# Altium PCB HMI_Board.PcbDoc (part 1 of 3) (continued)
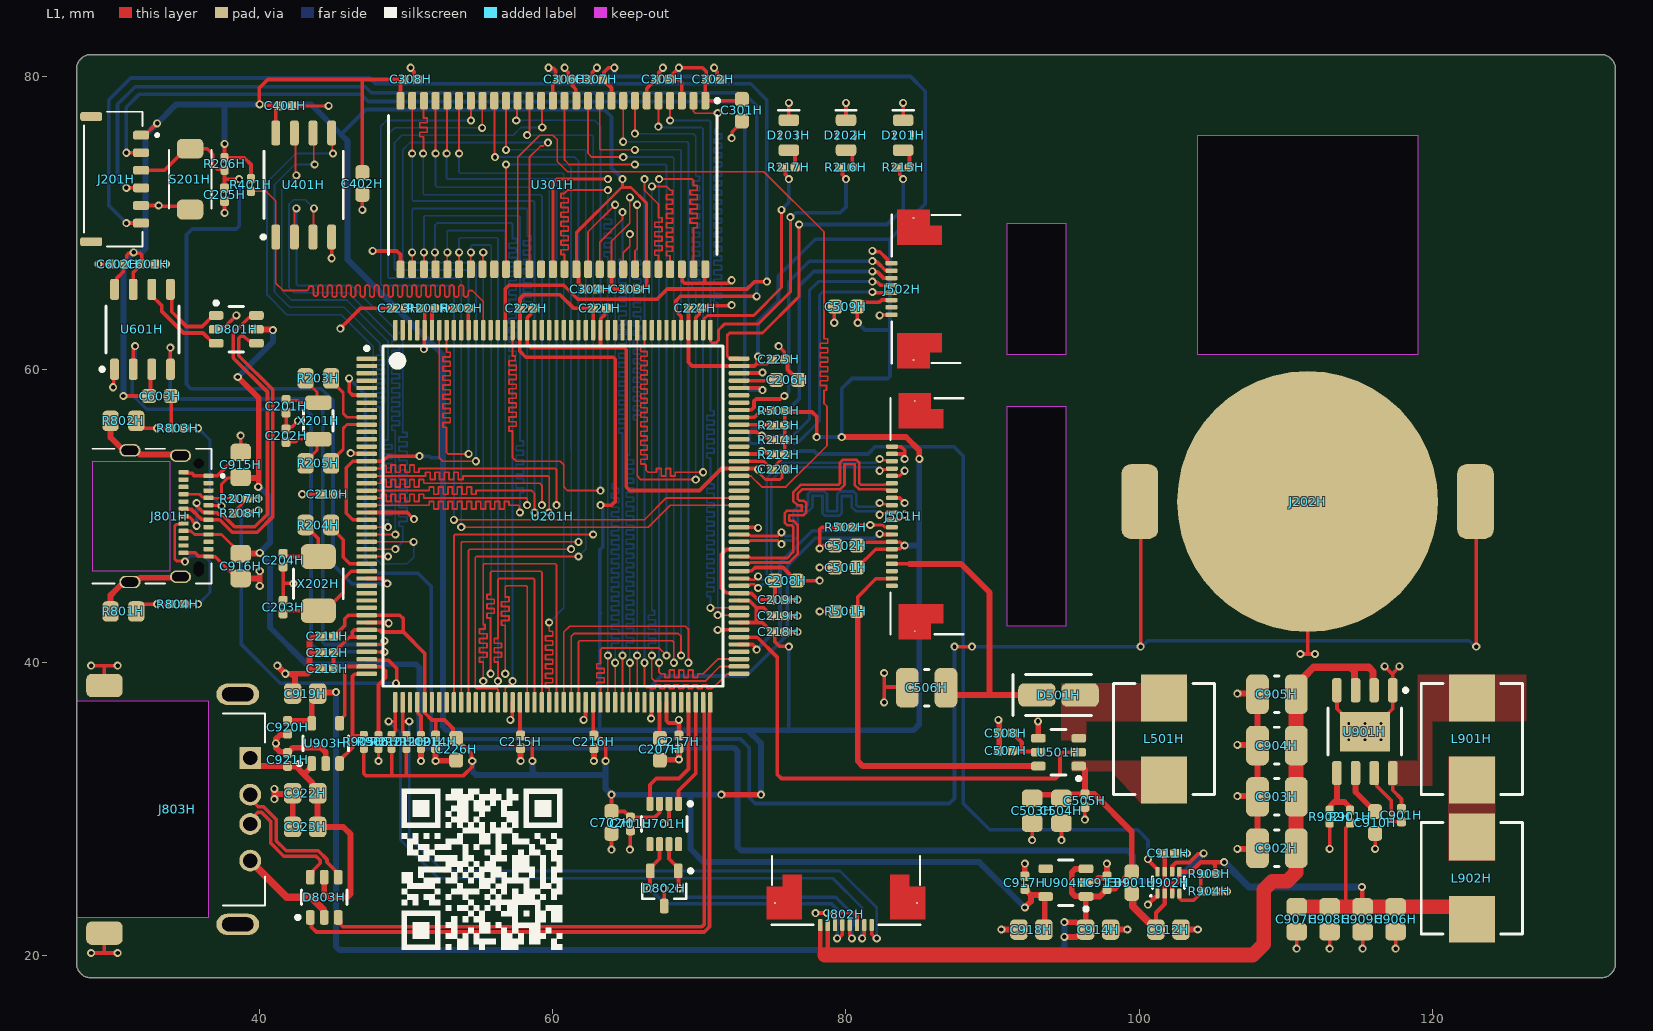
[diagram p0: L1 view]
## Part data (continued)
J801H: "USB Connector, 24 Contact(s), Female, Right Angle, Surface Mount Terminal, Locking, Receptacle", Manufacturer=Amphenol, Supplier Part Number=C3197788, ComponentLink1Description=https://datasheet.octopart.com:443/12401826E412A-Amphenol-Communications-Solutions-datasheet-182242332.pdf?src-supplier=IHS, ComponentLink1URL=https://datasheet.octopart.com:443/12401826E412A-Amphenol-Communications-Solutions-datasheet-182242332.pdf?src-supplier=IHS, ComponentLink2Description=https://datasheet.octopart.com:443/12401826E412A-Amphenol-datasheet-112029729.pdf?src-supplier=Master+Electronics, ComponentLink2URL=https://datasheet.octopart.com:443/12401826E412A-Amphenol-datasheet-112029729.pdf?src-supplier=Master+Electronics, Manufacturer Part Number=12401826E412A, Supplier=LCSC
J803H: "USB2.0 A RECEPT,RIGHT ANGLE, SIN", Manufacturer="Amphenol ICC", Supplier Part Number=664-GSB12621A1EUTR-ND, Manufacturer Part Number=GSB12621A1EU, Supplier=DigiKey
L501H L901H L902H: "10uH 3.5A 6A 75mΩ AEC-Q200 ±20% SMD,7.3x6.6mm Power Inductors ROHS", Manufacturer=BOURNS, Manufacturer Part Number=SRP7028A-100M, Supplier Part Number=C2687402, Supplier=LCSC
R201H R202H R206H R209H R212H R401H R502H R503H R901H R904H R905H R906H: "-55℃~+155℃ 10kΩ 50V 62.5mW Thick Film Resistor ±1% ±100ppm/℃ 0402 Chip Resistor - Surface Mount ROHS", Manufacturer="UNI-ROYAL(Uniroyal Elec)", Manufacturer Part Number=0402WGF1002TCE, Supplier Part Number=C25744, Supplier=LCSC
R203H R204H R205H R801H R802H: "-55℃~+155℃ 0Ω 125mW 150V Thick Film Resistor ±1% ±800ppm/℃ 0805 Chip Resistor - Surface Mount ROHS", Manufacturer="UNI-ROYAL(Uniroyal Elec)", Manufacturer Part Number=0805W8F0000T5E, Supplier Part Number=C17477, Supplier=LCSC
R207H: "-55℃~+155℃ 12kΩ 50V 62.5mW Thick Film Resistor ±1% ±100ppm/℃ 0402 Chip Resistor - Surface Mount ROHS", Manufacturer="UNI-ROYAL(Uniroyal Elec)", Manufacturer Part Number=0402WGF1202TCE, Supplier Part Number=C25752, Supplier=LCSC
R208H: "-55℃~+155℃ 18kΩ 50V 62.5mW Thick Film Resistor ±1% ±100ppm/℃ 0402 Chip Resistor - Surface Mount ROHS", Manufacturer="UNI-ROYAL(Uniroyal Elec)", Manufacturer Part Number=0402WGF1802TCE, Supplier Part Number=C25762, Supplier=LCSC
R210H R211H R213H R214H R803H R804H: "-55℃~+155℃ 5.1kΩ 50V 62.5mW Thick Film Resistor ±1% ±100ppm/℃ 0402 Chip Resistor - Surface Mount ROHS", Manufacturer="UNI-ROYAL(Uniroyal Elec)", Manufacturer Part Number=0402WGF5101TCE, Supplier Part Number=C25905, Supplier=LCSC
R215H R216H R217H: "-55℃~+155℃ 1kΩ 50V 62.5mW Thick Film Resistor ±1% ±100ppm/℃ 0402 Chip Resistor - Surface Mount ROHS", Manufacturer="UNI-ROYAL(Uniroyal Elec)", Manufacturer Part Number=0402WGF1001TCE, Supplier Part Number=C11702, Supplier=LCSC
R501H: "-55℃~+155℃ 1.1Ω 100mW 75V Thick Film Resistor ±1% ±200ppm/℃ 0603 Chip Resistor - Surface Mount ROHS", Manufacturer="UNI-ROYAL(Uniroyal Elec)", Manufacturer Part Number=0603WAF110KT5E, Supplier Part Number=C83906, Supplier=LCSC
R902H: "-55℃~+155℃ 2.49kΩ 50V 62.5mW Thick Film Resistor ±1% ±100ppm/℃ 0402 Chip Resistor - Surface Mount ROHS", Manufacturer="UNI-ROYAL(Uniroyal Elec)", Manufacturer Part Number=0402WGF2491TCE, Supplier Part Number=C25884, Supplier=LCSC
R903H: "-55℃~+155℃ 30kΩ 50V 62.5mW Thick Film Resistor ±1% ±100ppm/℃ 0402 Chip Resistor - Surface Mount ROHS", Manufacturer="UNI-ROYAL(Uniroyal Elec)", Manufacturer Part Number=0402WGF3002TCE, Supplier Part Number=C25776, Supplier=LCSC
S201H: "Without 50mA 4mm 100MΩ 100000 Times 12V 160gf 3mm 2mm Round Button Standing paste SPST SMD Tactile Switches ROHS", Manufacturer=Xunpu, Supplier Part Number=C720477, Manufacturer Part Number=TS-1088-AR02016, Supplier=LCSC
U201H: "MCU 32-bit ARM Cortex M4 RISC 2MB Flash 2.5V/3.3V 176-Pin LQFP Frame", Manufacturer=STMicroelectronics, Supplier Part Number=C117839, ComponentLink1Description=https://datasheet.octopart.com:443/STM32F469IIT6-STMicroelectronics-datasheet-62336746.pdf?src-supplier=element14+APAC, ComponentLink1URL=https://datasheet.octopart.com:443/STM32F469IIT6-STMicroelectronics-datasheet-62336746.pdf?src-supplier=element14+APAC, ComponentLink2Description=https://datasheet.octopart.com:443/STM32F469IIT6-STMicroelectronics-datasheet-49152909.pdf?src-supplier=Newark, ComponentLink2URL=https://datasheet.octopart.com:443/STM32F469IIT6-STMicroelectronics-datasheet-49152909.pdf?src-supplier=Newark, ComponentLink3Description=https://datasheet.octopart.com:443/STM32F469IIT6-STMicroelectronics-datasheet-60574464.pdf?src-supplier=Farnell, ComponentLink3URL=https://datasheet.octopart.com:443/STM32F469IIT6-STMicroelectronics-datasheet-60574464.pdf?src-supplier=Farnell, ComponentLink4Description=https://datasheet.octopart.com:443/STM32F469IIT6-STMicroelectronics-datasheet-159009227.pdf?src-supplier=SHENGYU+ELECTRONICS, ComponentLink4URL=https://datasheet.octopart.com:443/STM32F469IIT6-STMicroelectronics-datasheet-159009227.pdf?src-supplier=SHENGYU+ELECTRONICS, Manufacturer Part Number=STM32F469IIT6, Supplier=LCSC
U301H: "DRAM Chip SDRAM 128M-Bit 8Mx16 3.3V 54-Pin TSOP-II", Manufacturer=ISSI, Supplier Part Number=C69411, ComponentLink1Description=https://datasheet.octopart.com:443/IS42S16800F-7TLI-ISSI-datasheet-177144629.pdf?src-supplier=IHS, ComponentLink1URL=https://datasheet.octopart.com:443/IS42S16800F-7TLI-ISSI-datasheet-177144629.pdf?src-supplier=IHS, ComponentLink2Description=https://datasheet.octopart.com:443/IS42S16800F-7TLI-ISSI-datasheet-115062799.pdf?src-supplier=HQonline, ComponentLink2URL=https://datasheet.octopart.com:443/IS42S16800F-7TLI-ISSI-datasheet-115062799.pdf?src-supplier=HQonline, ComponentLink3Description=https://datasheet.octopart.com:443/IS42S16800F-7TLI-ISSI-datasheet-163654484.pdf?src-supplier=Augswan, ComponentLink3URL=https://datasheet.octopart.com:443/IS42S16800F-7TLI-ISSI-datasheet-163654484.pdf?src-supplier=Augswan, ComponentLink4Description=https://datasheet.octopart.com:443/IS42S16800F-7TLI-ISSI-datasheet-11878964.pdf?src-supplier=Arrow+Electronics, ComponentLink4URL=https://datasheet.octopart.com:443/IS42S16800F-7TLI-ISSI-datasheet-11878964.pdf?src-supplier=Arrow+Electronics, Manufacturer Part Number=IS42S16800F-7TLI, Supplier=LCSC
U401H: "NOR Flash Serial (SPI, Dual SPI, Quad SPI) 2.5V/3V/3.3V 128M-bit 16M x 8 8ns 8-Pin SOIC T/R", Manufacturer=ISSI, Supplier Part Number=C521290, ComponentLink1Description=https://datasheet.octopart.com:443/IS25LP128-JBLE-TR-ISSI-datasheet-180100958.pdf?src-supplier=IHS, ComponentLink1URL=https://datasheet.octopart.com:443/IS25LP128-JBLE-TR-ISSI-datasheet-180100958.pdf?src-supplier=IHS, ComponentLink2Description=https://datasheet.octopart.com:443/IS25LP128-JBLE-TR-ISSI-datasheet-138103946.pdf?src-supplier=SHENGYU+ELECTRONICS, ComponentLink2URL=https://datasheet.octopart.com:443/IS25LP128-JBLE-TR-ISSI-datasheet-138103946.pdf?src-supplier=SHENGYU+ELECTRONICS, Manufacturer Part Number=IS25LP128-JBLE-TR, Supplier=LCSC
U501H: "High brightness white LED driver in 2mm x 2mm QFN Package 6-SOT-23 -40 to 85", Manufacturer="Texas Instruments", Supplier Part Number=C58756, ComponentLink1Description=https://sigma.octopart.com:443/182282880/technical_drawing/Texas-Instruments-TPS61165DBVR.pdf?src-supplier=Texas+Instruments, ComponentLink1URL=https://sigma.octopart.com:443/182282880/technical_drawing/Texas-Instruments-TPS61165DBVR.pdf?src-supplier=Texas+Instruments, ComponentLink2Description=https://octopart.com:443/opatz8j6/c1?t=nZeBVG_tagQVTQ7mH9eZZHeC0rDHwyaHKKSCvJlus6yh4w9BlKbO9IoyfQfeWqyjliqoQHyW2yGXoo95ovqlmq8kd5JhrdGsq82YO7buThP_o15Nce2TNG5oXKLW-nVpH_-XeEWyNuigOz1gFahmc_VM1w7rjl1WSvgkxj9hAECfEFQYzC4pYHq4sIzxTBobuB3DrMlscfuTDSz6w8A9d2WE1BgVhZEcqdg3gxFJ-Z8IbNB3GOoLqbgLeBd7lkDfuvqqHLOWEUynituVoUNjcvozGSGw89fiZimS5DNerO7cPC7jIb1D2zbQLCq4rH_-a8Aro95-DwK9lGTU4b1BabtghUPJhpq2AuxQc8qAQWHR2BDxrIFi_slgdZiuh9wb6m9q9IRc&src-supplier=Texas+Instruments, ComponentLink2URL=https://octopart.com:443/opatz8j6/c1?t=nZeBVG_tagQVTQ7mH9eZZHeC0rDHwyaHKKSCvJlus6yh4w9BlKbO9IoyfQfeWqyjliqoQHyW2yGXoo95ovqlmq8kd5JhrdGsq82YO7buThP_o15Nce2TNG5oXKLW-nVpH_-XeEWyNuigOz1gFahmc_VM1w7rjl1WSvgkxj9hAECfEFQYzC4pYHq4sIzxTBobuB3DrMlscfuTDSz6w8A9d2WE1BgVhZEcqdg3gxFJ-Z8IbNB3GOoLqbgLeBd7lkDfuvqqHLOWEUynituVoUNjcvozGSGw89fiZimS5DNerO7cPC7jIb1D2zbQLCq4rH_-a8Aro95-DwK9lGTU4b1BabtghUPJhpq2AuxQc8qAQWHR2BDxrIFi_slgdZiuh9wb6m9q9IRc&src-supplier=Texas+Instruments, ComponentLink3Description=https://datasheet.octopart.com:443/TPS61165DBVR-Texas-Instruments-datasheet-37741753.pdf?src-supplier=Texas+Instruments, ComponentLink3URL=https://datasheet.octopart.com:443/TPS61165DBVR-Texas-Instruments-datasheet-37741753.pdf?src-supplier=Texas+Instruments, ComponentLink4Description=https://sigma.octopart.com:443/179253514/technical_drawing/Texas-Instruments-TPS61165DBVR.pdf?src-supplier=Texas+Instruments, ComponentLink4URL=https://sigma.octopart.com:443/179253514/technical_drawing/Texas-Instruments-TPS61165DBVR.pdf?src-supplier=Texas+Instruments, ComponentLink5Description=https://sigma.octopart.com:443/177332312/technical_drawing/Texas-Instruments-TPS61165DBVR.pdf?src-supplier=Texas+Instruments, ComponentLink5URL=https://sigma.octopart.com:443/177332312/technical_drawing/Texas-Instruments-TPS61165DBVR.pdf?src-supplier=Texas+Instruments, ComponentLink6Description=https://sigma.octopart.com:443/175570407/technical_drawing/Texas-Instruments-TPS61165DBVR.pdf?src-supplier=Texas+Instruments, ComponentLink6URL=https://sigma.octopart.com:443/175570407/technical_drawing/Texas-Instruments-TPS61165DBVR.pdf?src-supplier=Texas+Instruments, ComponentLink7Description=https://sigma.octopart.com:443/154719501/technical_drawing/Texas-Instruments-TPS61165DBVR.pdf?src-supplier=Texas+Instruments, ComponentLink7URL=https://sigma.octopart.com:443/154719501/technical_drawing/Texas-Instruments-TPS61165DBVR.pdf?src-supplier=Texas+Instruments, ComponentLink8Description=https://datasheet.octopart.com:443/TPS61165DBVR-Texas-Instruments-datasheet-36993187.pdf?src-supplier=Texas+Instruments, ComponentLink8URL=https://datasheet.octopart.com:443/TPS61165DBVR-Texas-Instruments-datasheet-36993187.pdf?src-supplier=Texas+Instruments, ComponentLink9Description=https://sigma.octopart.com:443/49249327/technical_drawing/Texas-Instruments-TPS61165DBVR.pdf?src-supplier=Texas+Instruments, ComponentLink9URL=https://sigma.octopart.com:443/49249327/technical_drawing/Texas-Instruments-TPS61165DBVR.pdf?src-supplier=Texas+Instruments, ComponentLink10Description=https://datasheet.octopart.com:443/TPS61165DBVR-Texas-Instruments-datasheet-10670041.pdf?src-supplier=Texas+Instruments, ComponentLink10URL=https://datasheet.octopart.com:443/TPS61165DBVR-Texas-Instruments-datasheet-10670041.pdf?src-supplier=Texas+Instruments, ComponentLink11Description=https://datasheet.octopart.com:443/TPS61165DBVR-Texas-Instruments-datasheet-10620793.pdf?src-supplier=Texas+Instruments, ComponentLink11URL=https://datasheet.octopart.com:443/TPS61165DBVR-Texas-Instruments-datasheet-10620793.pdf?src-supplier=Texas+Instruments, ComponentLink12Description=https://datasheet.octopart.com:443/TPS61165DBVR-Texas-Instruments-datasheet-16079706.pdf?src-supplier=Upverter, ComponentLink12URL=https://datasheet.octopart.com:443/TPS61165DBVR-Texas-Instruments-datasheet-16079706.pdf?src-supplier=Upverter, ComponentLink13Description=https://datasheet.octopart.com:443/TPS61165DBVR-Texas-Instruments-datasheet-66617826.pdf?src-supplier=Newark, ComponentLink13URL=https://datasheet.octopart.com:443/TPS61165DBVR-Texas-Instruments-datasheet-66617826.pdf?src-supplier=Newark, ComponentLink14Description=https://datasheet.octopart.com:443/TPS61165DBVR-Texas-Instruments-datasheet-21262904.pdf?src-supplier=Farnell, ComponentLink14URL=https://datasheet.octopart.com:443/TPS61165DBVR-Texas-Instruments-datasheet-21262904.pdf?src-supplier=Farnell, ComponentLink15Description=https://datasheet.octopart.com:443/TPS61165DBVR-Texas-Instruments-datasheet-48578343.pdf?src-supplier=element14+APAC, ComponentLink15URL=https://datasheet.octopart.com:443/TPS61165DBVR-Texas-Instruments-datasheet-48578343.pdf?src-supplier=element14+APAC, ComponentLink16Description=https://datasheet.octopart.com:443/TPS61165DBVR-Texas-Instruments-datasheet-165804812.pdf?src-supplier=LCSC, ComponentLink16URL=https://datasheet.octopart.com:443/TPS61165DBVR-Texas-Instruments-datasheet-165804812.pdf?src-supplier=LCSC, ComponentLink17Description=https://datasheet.octopart.com:443/TPS61165DBVR-Texas-Instruments-datasheet-159118187.pdf?src-supplier=LCSC, ComponentLink17URL=https://datasheet.octopart.com:443/TPS61165DBVR-Texas-Instruments-datasheet-159118187.pdf?src-supplier=LCSC, ComponentLink18Description=https://datasheet.octopart.com:443/TPS61165DBVR-Texas-Instruments-datasheet-164420408.pdf?src-supplier=SHENGYU+ELECTRONICS, ComponentLink18URL=https://datasheet.octopart.com:443/TPS61165DBVR-Texas-Instruments-datasheet-164420408.pdf?src-supplier=SHENGYU+ELECTRONICS, ComponentLink19Description=https://datasheet.octopart.com:443/TPS61165DBVR-Texas-Instruments-datasheet-137316104.pdf?src-supplier=Future+Electronics, ComponentLink19URL=https://datasheet.octopart.com:443/TPS61165DBVR-Texas-Instruments-datasheet-137316104.pdf?src-supplier=Future+Electronics, ComponentLink20Description=https://datasheet.octopart.com:443/TPS61165DBVR-Texas-Instruments-datasheet-14155713.pdf?src-supplier=iiiC, ComponentLink20URL=https://datasheet.octopart.com:443/TPS61165DBVR-Texas-Instruments-datasheet-14155713.pdf?src-supplier=iiiC, ComponentLink21Description=http://sigma.octopart.com:80/reach_statement/Texas-Instruments-company-64.pdf?src-supplier=Compliance+Statements, ComponentLink21URL=http://sigma.octopart.com:80/reach_statement/Texas-Instruments-company-64.pdf?src-supplier=Compliance+Statements, ComponentLink22Description=http://sigma.octopart.com:80/conflict_mineral_statement/Texas-Instruments-company-63.pdf?src-supplier=Compliance+Statements, ComponentLink22URL=http://sigma.octopart.com:80/conflict_mineral_statement/Texas-Instruments-company-63.pdf?src-supplier=Compliance+Statements, Manufacturer Part Number=TPS61165DBVR, Supplier=LCSC
U601H: "UART to USB 1.1 Bridge", Manufacturer="Prolific Tech", Supplier Part Number=C2905408, Manufacturer Part Number=PL2303GL, Supplier=LCSC
U701H: "e4 TCAN332 Tape & Reel (TR) CANbus interface transceiver 120mV 1.45mm -40C~125C", Manufacturer="Texas Instruments", Manufacturer Part Number=TCAN332DCNR, Supplier Part Number=C544741, ComponentLink1Description=https://octopart.com:443/opatz8j6/c1?t=dG_SbUxjQzVgJnJPP-2szSeqPAb3X7H8tWfQI62VRO9uZnrLmFg3TWU_z67q9kIDviF4FN_TCsqeSfeEDt3cWUaO61NG9QDI_Eb50Secyx7936ozK0zPGmHWFTaG3DsBBHgi4s8MSZ62e4_WQc34t8bGaKb-7TAP0eyksxQ1enmXlBpFOua48LsekYnSoJ2L-d640ZUPpAGxHdgwmtr-Rm6Has3v9oCmMUHqPAq5ix4xFEIyP5I_SVLeVktE-3aAwIYQSiOANKmcXVzf_801AnYlO65In04uFc_5rjJ_JVYSqe5kmTcE2eLvcvt7n5SpzoA4fGOFnErTL0ZS-9x5xsgIoYsvbbTZ1_6kN_AAgYZyOVAEksG_LnTkXIJbDMRPYtvLom8&src-supplier=Texas+Instruments, ComponentLink1URL=https://octopart.com:443/opatz8j6/c1?t=dG_SbUxjQzVgJnJPP-2szSeqPAb3X7H8tWfQI62VRO9uZnrLmFg3TWU_z67q9kIDviF4FN_TCsqeSfeEDt3cWUaO61NG9QDI_Eb50Secyx7936ozK0zPGmHWFTaG3DsBBHgi4s8MSZ62e4_WQc34t8bGaKb-7TAP0eyksxQ1enmXlBpFOua48LsekYnSoJ2L-d640ZUPpAGxHdgwmtr-Rm6Has3v9oCmMUHqPAq5ix4xFEIyP5I_SVLeVktE-3aAwIYQSiOANKmcXVzf_801AnYlO65In04uFc_5rjJ_JVYSqe5kmTcE2eLvcvt7n5SpzoA4fGOFnErTL0ZS-9x5xsgIoYsvbbTZ1_6kN_AAgYZyOVAEksG_LnTkXIJbDMRPYtvLom8&src-supplier=Texas+Instruments, ComponentLink2Description=https://datasheet.octopart.com:443/TCAN332DCNR-Texas-Instruments-datasheet-61500394.pdf?src-supplier=Texas+Instruments, ComponentLink2URL=https://datasheet.octopart.com:443/TCAN332DCNR-Texas-Instruments-datasheet-61500394.pdf?src-supplier=Texas+Instruments, ComponentLink3Description=https://sigma.octopart.com:443/49252122/technical_drawing/Texas-Instruments-TCAN332DCNR.pdf?src-supplier=Texas+Instruments, ComponentLink3URL=https://sigma.octopart.com:443/49252122/technical_drawing/Texas-Instruments-TCAN332DCNR.pdf?src-supplier=Texas+Instruments, ComponentLink4Description=https://datasheet.octopart.com:443/TCAN332DCNR-Texas-Instruments-datasheet-149637585.pdf?src-supplier=Upverter, ComponentLink4URL=https://datasheet.octopart.com:443/TCAN332DCNR-Texas-Instruments-datasheet-149637585.pdf?src-supplier=Upverter, ComponentLink5Description=https://datasheet.octopart.com:443/TCAN332DCNR-Texas-Instruments-datasheet-192327331.pdf?src-supplier=HQonline, ComponentLink5URL=https://datasheet.octopart.com:443/TCAN332DCNR-Texas-Instruments-datasheet-192327331.pdf?src-supplier=HQonline, ComponentLink6Description=https://datasheet.octopart.com:443/TCAN332DCNR-Texas-Instruments-datasheet-164418215.pdf?src-supplier=SHENGYU+ELECTRONICS, ComponentLink6URL=https://datasheet.octopart.com:443/TCAN332DCNR-Texas-Instruments-datasheet-164418215.pdf?src-supplier=SHENGYU+ELECTRONICS, ComponentLink7Description=http://sigma.octopart.com:80/reach_statement/Texas-Instruments-company-64.pdf?src-supplier=Compliance+Statements, ComponentLink7URL=http://sigma.octopart.com:80/reach_statement/Texas-Instruments-company-64.pdf?src-supplier=Compliance+Statements, ComponentLink8Description=http://sigma.octopart.com:80/conflict_mineral_statement/Texas-Instruments-company-63.pdf?src-supplier=Compliance+Statements, ComponentLink8URL=http://sigma.octopart.com:80/conflict_mineral_statement/Texas-Instruments-company-63.pdf?src-supplier=Compliance+Statements, Supplier=LCSC
U901H: "IC REG BUCK ADJ 2A 8SOPWR \"Buck Switching Regulator IC Positive Adjustable 1V 1 Output 2A 8-PowerSOIC (0.154\"\",...", Manufacturer="Texas Instruments", Supplier Part Number=C1858395, ComponentLink1Description=https://sigma.octopart.com:443/104526336/technical_drawing/Texas-Instruments-LMR36520FADDAR.pdf?src-supplier=Texas+Instruments, ComponentLink1URL=https://sigma.octopart.com:443/104526336/technical_drawing/Texas-Instruments-LMR36520FADDAR.pdf?src-supplier=Texas+Instruments, ComponentLink2Description=https://octopart.com:443/opatz8j6/c1?t=mHbzaQ1Tht0UV9nehfg5JiUnlsE_g6jEQZu4cgLsz7FdSPytCj4GT_8w8awNCG6PeU6TxqmtEJrkUBGGJyvku2gjVBep4h00nAZ89dcXKNnd2gG9g6d4C5g0wp9xiQcjuA7ti1nzwa8x6zdLsfl0B3HqFDAGiJbSO8y9Ls0L_BPMX5u4Slhfpg6UDt9-0_9nl2Xjgzq1NNSuayRbQs-ujVhBD533bHdfFlc8CK607Dk82q2-Km0ow_-B3-tyW-LMsF-2gB6GxyOaUT341cgLMJHM3d0VyX_1JRL2UCDs5TRoGisOmXnK4bktZIfSp2ik0ZADK5Vy-TlIZkce9k04I79soOuKbQPdC4RFs6ama8YLpD5h656EQwzMTtUILFiaUT_aq65E-A&src-supplier=Texas+Instruments, ComponentLink2URL=https://octopart.com:443/opatz8j6/c1?t=mHbzaQ1Tht0UV9nehfg5JiUnlsE_g6jEQZu4cgLsz7FdSPytCj4GT_8w8awNCG6PeU6TxqmtEJrkUBGGJyvku2gjVBep4h00nAZ89dcXKNnd2gG9g6d4C5g0wp9xiQcjuA7ti1nzwa8x6zdLsfl0B3HqFDAGiJbSO8y9Ls0L_BPMX5u4Slhfpg6UDt9-0_9nl2Xjgzq1NNSuayRbQs-ujVhBD533bHdfFlc8CK607Dk82q2-Km0ow_-B3-tyW-LMsF-2gB6GxyOaUT341cgLMJHM3d0VyX_1JRL2UCDs5TRoGisOmXnK4bktZIfSp2ik0ZADK5Vy-TlIZkce9k04I79soOuKbQPdC4RFs6ama8YLpD5h656EQwzMTtUILFiaUT_aq65E-A&src-supplier=Texas+Instruments, ComponentLink3Description=http://sigma.octopart.com:80/reach_statement/Texas-Instruments-company-64.pdf?src-supplier=Compliance+Statements, ComponentLink3URL=http://sigma.octopart.com:80/reach_statement/Texas-Instruments-company-64.pdf?src-supplier=Compliance+Statements, ComponentLink4Description=http://sigma.octopart.com:80/conflict_mineral_statement/Texas-Instruments-company-63.pdf?src-supplier=Compliance+Statements, ComponentLink4URL=http://sigma.octopart.com:80/conflict_mineral_statement/Texas-Instruments-company-63.pdf?src-supplier=Compliance+Statements, Manufacturer Part Number=LMR36520FADDAR, Supplier=LCSC
U902H: "1.6-V TO 5.5-V, 20-M, 4-A LOW IQ Power Switch/Driver 2: 1 N-Channel 4A SOT-583", Manufacturer="Texas Instruments", Supplier Part Number=C22399676, ComponentLink1Description=https://sigma.octopart.com:443/184160452/technical_drawing/Texas-Instruments-TPS2117DRLR.pdf?src-supplier=Texas+Instruments, ComponentLink1URL=https://sigma.octopart.com:443/184160452/technical_drawing/Texas-Instruments-TPS2117DRLR.pdf?src-supplier=Texas+Instruments, ComponentLink2Description=https://octopart.com:443/opatz8j6/c1?t=L84LYtfkBmmN_IjgYvQ-qdp29-_Y1qHOaIt1_kNS9fW6zCHH_mOxrWMnMXuUZ1bqiEFDwRIsiy_UYmJymrv8Px2m6PKuTwrplg6rpq_wJlsFnSfi8CP8aqb9xzzk84DEUT5Z06X-gaI3P2F3RmYXsrt5GEkx1caOnwsJv5FBB6WWt408fP1sLc0qFlmrkljEq25MyY9g_7CIAnoVZsSi_yOB6RSqpfmUjSqEw4B7hgY_otftM--RI0f-E42yI6CWCkB5E_2kPGFfxKzu01GXmLqmVT1vRVkZ_bUmRdOInDeSTeJtLAoJ2NRY4FaXen_61Ah6oVg27V3ihoFZI3QFUUuUGv9_Vto7490L0vpBTrDJknOeRs_5eMCBoUnWlBEHBK2pkr4H&src-supplier=Texas+Instruments, ComponentLink2URL=https://octopart.com:443/opatz8j6/c1?t=L84LYtfkBmmN_IjgYvQ-qdp29-_Y1qHOaIt1_kNS9fW6zCHH_mOxrWMnMXuUZ1bqiEFDwRIsiy_UYmJymrv8Px2m6PKuTwrplg6rpq_wJlsFnSfi8CP8aqb9xzzk84DEUT5Z06X-gaI3P2F3RmYXsrt5GEkx1caOnwsJv5FBB6WWt408fP1sLc0qFlmrkljEq25MyY9g_7CIAnoVZsSi_yOB6RSqpfmUjSqEw4B7hgY_otftM--RI0f-E42yI6CWCkB5E_2kPGFfxKzu01GXmLqmVT1vRVkZ_bUmRdOInDeSTeJtLAoJ2NRY4FaXen_61Ah6oVg27V3ihoFZI3QFUUuUGv9_Vto7490L0vpBTrDJknOeRs_5eMCBoUnWlBEHBK2pkr4H&src-supplier=Texas+Instruments, ComponentLink3Description=https://sigma.octopart.com:443/182665545/technical_drawing/Texas-Instruments-TPS2117DRLR.pdf?src-supplier=Texas+Instruments, ComponentLink3URL=https://sigma.octopart.com:443/182665545/technical_drawing/Texas-Instruments-TPS2117DRLR.pdf?src-supplier=Texas+Instruments, ComponentLink4Description=https://sigma.octopart.com:443/158891806/technical_drawing/Texas-Instruments-TPS2117DRLR.pdf?src-supplier=Texas+Instruments, ComponentLink4URL=https://sigma.octopart.com:443/158891806/technical_drawing/Texas-Instruments-TPS2117DRLR.pdf?src-supplier=Texas+Instruments, ComponentLink5Description=https://datasheet.octopart.com:443/TPS2117DRLR-Texas-Instruments-datasheet-189768138.pdf?src-supplier=ODG+(Origin+Data+Global), ComponentLink5URL=https://datasheet.octopart.com:443/TPS2117DRLR-Texas-Instruments-datasheet-189768138.pdf?src-supplier=ODG+(Origin+Data+Global), ComponentLink6Description=https://datasheet.octopart.com:443/TPS2117DRLR-Texas-Instruments-datasheet-184244544.pdf?src-supplier=LCSC, ComponentLink6URL=https://datasheet.octopart.com:443/TPS2117DRLR-Texas-Instruments-datasheet-184244544.pdf?src-supplier=LCSC, ComponentLink7Description=http://sigma.octopart.com:80/reach_statement/Texas-Instruments-company-64.pdf?src-supplier=Compliance+Statements, ComponentLink7URL=http://sigma.octopart.com:80/reach_statement/Texas-Instruments-company-64.pdf?src-supplier=Compliance+Statements, ComponentLink8Description=http://sigma.octopart.com:80/conflict_mineral_statement/Texas-Instruments-company-63.pdf?src-supplier=Compliance+Statements, ComponentLink8URL=http://sigma.octopart.com:80/conflict_mineral_statement/Texas-Instruments-company-63.pdf?src-supplier=Compliance+Statements, Manufacturer Part Number=TPS2117DRLR, Supplier=LCSC
U903H: "-40℃~+125℃ 1 4.5V~5.5V 500mA 97mΩ Active High Low Side Switch Short-Circuit  Protection(SCP)、Overcurrent Protection(OCP)、Overtemperature protection (OTP) SOT-23-5 Power Distribution Switches ROHS", Manufacturer="Texas Instruments", Supplier Part Number=C129581, Manufacturer Part Number=TPS2051CDBVR, Supplier=LCSC
U904H: "1-A, low-IQ high-accuracy low-dropout (LDO) voltage regulator with enable 5-SOT-23 -40 to 125", Manufacturer="Texas Instruments", Supplier Part Number=C485517, ComponentLink1Description=https://sigma.octopart.com:443/177332311/technical_drawing/Texas-Instruments-TLV75733PDBVR.pdf?src-supplier=Texas+Instruments, ComponentLink1URL=https://sigma.octopart.com:443/177332311/technical_drawing/Texas-Instruments-TLV75733PDBVR.pdf?src-supplier=Texas+Instruments, ComponentLink2Description=https://octopart.com:443/opatz8j6/c1?t=6lDysvEzJMqV3aXU7XwswX-NmoIVKIpd3xMvh1jAIanRe4xqKcgWItUPj8N2Urd19DgEQX7Si0USgCZNUOCflsoBJm1ijCIgGCUOB1WaCybT4cY9c_KHWWyCTPMmLtAeSRmCMbORwkbpXPuDyLPTDJz2-yywwnrOMDSerR3rCfsbOmzOtwiuPfr5QO4UlCRj3n_a4RYvCi2S1TtCu7mUS0uhSmcIA5DP_e85TwisM18oaq8hQoRDdOm0GDJCJDLnhdkPe_6JZyh9RLZ6A19nNgObwn704rdDc8n-wDuSG4qMO_GAqGfOTEiVWd-LL-II0Cb0Q5yJpDhKRKft5bJVAG82wJ2i-Vgi_ReSvuynMFzgY6dAU0sHSHvmH4001BANddGd7Q&src-supplier=Texas+Instruments, ComponentLink2URL=https://octopart.com:443/opatz8j6/c1?t=6lDysvEzJMqV3aXU7XwswX-NmoIVKIpd3xMvh1jAIanRe4xqKcgWItUPj8N2Urd19DgEQX7Si0USgCZNUOCflsoBJm1ijCIgGCUOB1WaCybT4cY9c_KHWWyCTPMmLtAeSRmCMbORwkbpXPuDyLPTDJz2-yywwnrOMDSerR3rCfsbOmzOtwiuPfr5QO4UlCRj3n_a4RYvCi2S1TtCu7mUS0uhSmcIA5DP_e85TwisM18oaq8hQoRDdOm0GDJCJDLnhdkPe_6JZyh9RLZ6A19nNgObwn704rdDc8n-wDuSG4qMO_GAqGfOTEiVWd-LL-II0Cb0Q5yJpDhKRKft5bJVAG82wJ2i-Vgi_ReSvuynMFzgY6dAU0sHSHvmH4001BANddGd7Q&src-supplier=Texas+Instruments, ComponentLink3Description=https://sigma.octopart.com:443/175570406/technical_drawing/Texas-Instruments-TLV75733PDBVR.pdf?src-supplier=Texas+Instruments, ComponentLink3URL=https://sigma.octopart.com:443/175570406/technical_drawing/Texas-Instruments-TLV75733PDBVR.pdf?src-supplier=Texas+Instruments, ComponentLink4Description=https://sigma.octopart.com:443/169406034/technical_drawing/Texas-Instruments-TLV75733PDBVR.pdf?src-supplier=Texas+Instruments, ComponentLink4URL=https://sigma.octopart.com:443/169406034/technical_drawing/Texas-Instruments-TLV75733PDBVR.pdf?src-supplier=Texas+Instruments, ComponentLink5Description=https://sigma.octopart.com:443/155939316/technical_drawing/Texas-Instruments-TLV75733PDBVR.pdf?src-supplier=Texas+Instruments, ComponentLink5URL=https://sigma.octopart.com:443/155939316/technical_drawing/Texas-Instruments-TLV75733PDBVR.pdf?src-supplier=Texas+Instruments, ComponentLink6Description=https://sigma.octopart.com:443/102331370/technical_drawing/Texas-Instruments-TLV75733PDBVR.pdf?src-supplier=Texas+Instruments, ComponentLink6URL=https://sigma.octopart.com:443/102331370/technical_drawing/Texas-Instruments-TLV75733PDBVR.pdf?src-supplier=Texas+Instruments, ComponentLink7Description=https://datasheet.octopart.com:443/TLV75733PDBVR-Texas-Instruments-datasheet-164419132.pdf?src-supplier=Augswan, ComponentLink7URL=https://datasheet.octopart.com:443/TLV75733PDBVR-Texas-Instruments-datasheet-164419132.pdf?src-supplier=Augswan, ComponentLink8Description=https://datasheet.octopart.com:443/TLV75733PDBVR-Texas-Instruments-datasheet-165804641.pdf?src-supplier=LCSC, ComponentLink8URL=https://datasheet.octopart.com:443/TLV75733PDBVR-Texas-Instruments-datasheet-165804641.pdf?src-supplier=LCSC, ComponentLink9Description=https://datasheet.octopart.com:443/TLV75733PDBVR-Texas-Instruments-datasheet-159117837.pdf?src-supplier=LCSC, ComponentLink9URL=https://datasheet.octopart.com:443/TLV75733PDBVR-Texas-Instruments-datasheet-159117837.pdf?src-supplier=LCSC, ComponentLink10Description=http://sigma.octopart.com:80/reach_statement/Texas-Instruments-company-64.pdf?src-supplier=Compliance+Statements, ComponentLink10URL=http://sigma.octopart.com:80/reach_statement/Texas-Instruments-company-64.pdf?src-supplier=Compliance+Statements, ComponentLink11Description=http://sigma.octopart.com:80/conflict_mineral_statement/Texas-Instruments-company-63.pdf?src-supplier=Compliance+Statements, ComponentLink11URL=http://sigma.octopart.com:80/conflict_mineral_statement/Texas-Instruments-company-63.pdf?src-supplier=Compliance+Statements, Manufacturer Part Number=TLV75733PDBVR, Supplier=LCSC
X201H: "Crystal 0.032768MHz ±20ppm (Tol) 12.5pF FUND 70000Ohm 2-Pin SMD T/R Automotive AEC-Q200", Manufacturer=NDK, Manufacturer Part Number=NX3215SA-32.768K-STD-MUA-8, Supplier Part Number=C156245, ComponentLink1Description=https://datasheet.octopart.com:443/NX3215SA-32.768K-STD-MUA-8-NDK-datasheet-155922648.pdf?src-supplier=IHS, ComponentLink1URL=https://datasheet.octopart.com:443/NX3215SA-32.768K-STD-MUA-8-NDK-datasheet-155922648.pdf?src-supplier=IHS, ComponentLink2Description=https://datasheet.octopart.com:443/NX3215SA-32.768K-STD-MUA-8-NDK-datasheet-141422411.pdf?src-supplier=Upverter, ComponentLink2URL=https://datasheet.octopart.com:443/NX3215SA-32.768K-STD-MUA-8-NDK-datasheet-141422411.pdf?src-supplier=Upverter, ComponentLink3Description=https://datasheet.octopart.com/NX3215SA-32.768K-STD-MUA-8-NDK-datasheet-16193215.pdf, ComponentLink3URL=https://datasheet.octopart.com/NX3215SA-32.768K-STD-MUA-8-NDK-datasheet-16193215.pdf, Supplier=LCSC
X202H: "Passive Crystal Oscillators 8MHz ±10ppm 20pF 80Ω SMD5032-2P SMT -40℃~+85℃", Manufacturer=YXC, Supplier Part Number=C115962, Manufacturer Part Number=X50328MSB2GI, Supplier=LCSC

## Via types
v1: diameter 0.55, hole 0.3, L1 to L4, tented both sides, 290 vias
v2: diameter 0.5, hole 0.2, L1 to L4, 6 vias